# KiCad board vootington gaming.kicad_pcb (continued)
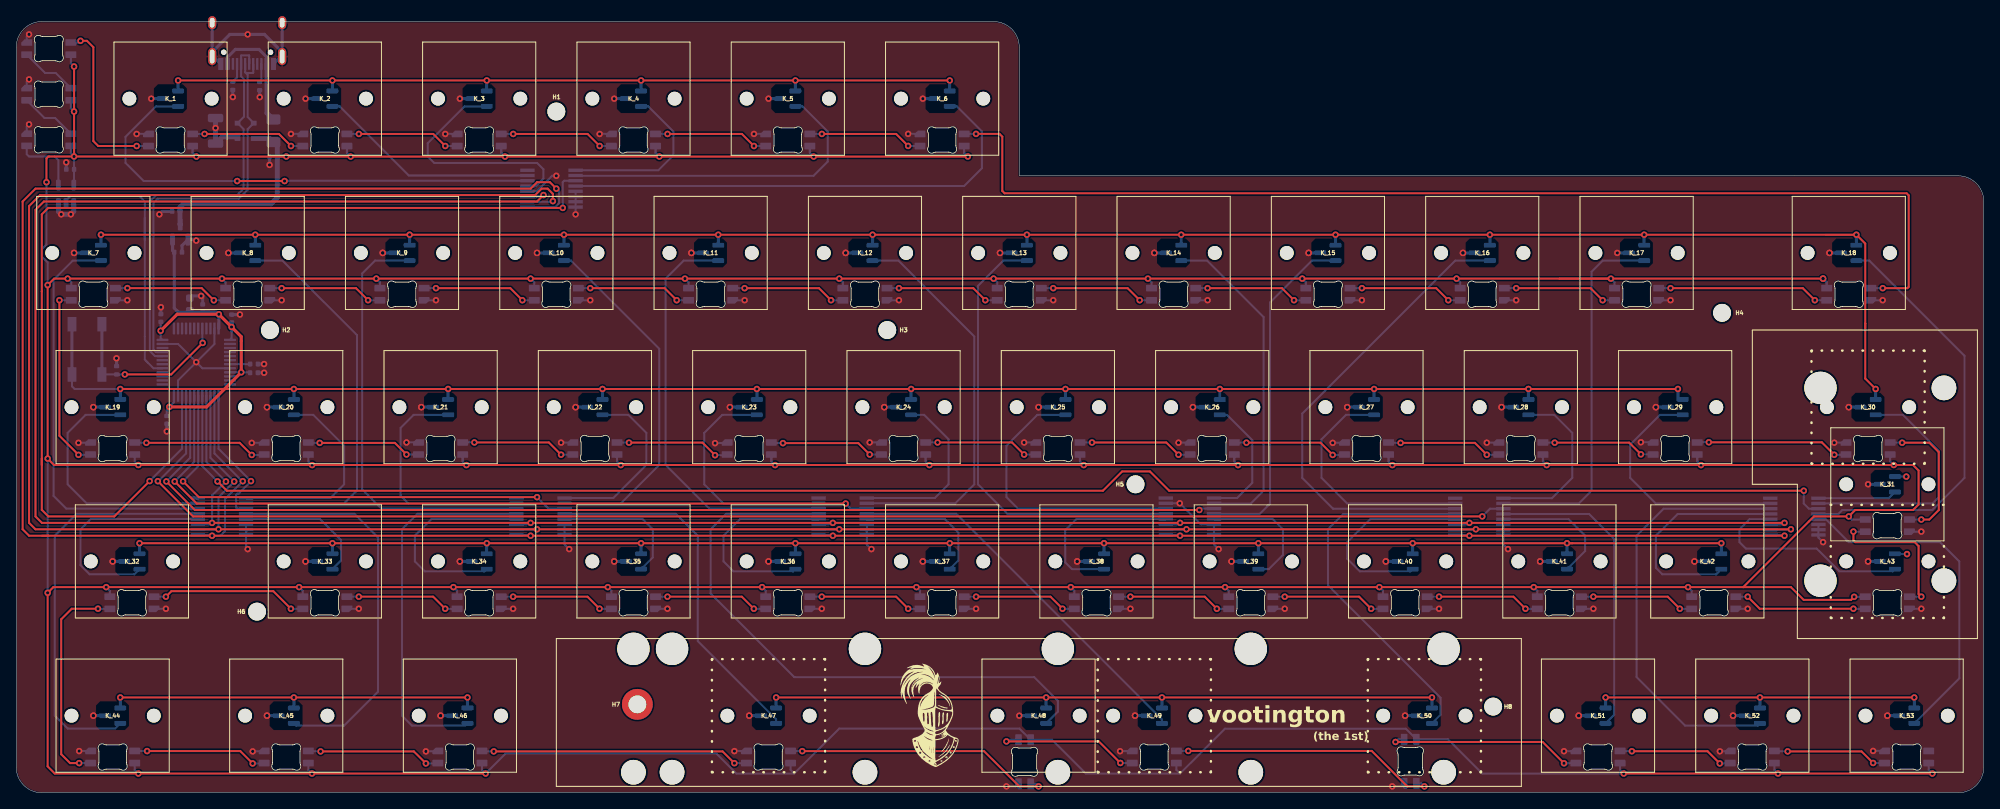
[diagram p0: board, top side]
## Routing (per net, layer and track width the routed paths; a pad name or vN(x,y) marks a point on that pad's centre or on a via; arc(x,y) is an arc through that point)
+3V3: length 1023.7
  Top w0.2: 223.35,68.92 v1(227.16,68.92)
  Top w0.25: v1(210.49,30.82) 192.09,30.82 ; 192.09,30.82 v1(172.39,30.82) v1(134.29,30.82) v1(115.24,30.82) v1(77.14,30.82) v1(58.09,30.82) v1(15.23,30.82) ; 192.09,30.82 v1(191.44,30.82) ; v1(196.2,11.77) v1(234.3,11.77) ; 228.25,57.94 228.25,67.83 v1(227.16,68.92) v1(10.46,68.92) ; 228.25,57.94 228.25,57.94 228.25,57.41 ; 228.25,57.94 228.25,51.16 v1(229.54,49.87) ; v1(205.13,49.87) 34.28,49.87 v1(34.28,49.87) v1(12.84,49.87) ; v1(12.84,11.77) v1(55.71,11.77) ; v1(93.81,11.77) v1(174.77,11.77) ; v1(19.99,87.97) v1(115.24,87.97)
  Top w0.381: v1(18.9,47.65) 23.5,47.65 v1(27.78,51.93) 27.78,56.33 v1(26.58,57.53) v1(25.02,59.1) 19.86,59.1 v1(17.83,57.06)
  Bottom w0.25: C11.1 28.82,51.93 v1(27.78,51.93) U59.9 ; 233.33,39.06 v1(233.32,39.05) U45.1 ; C2.1 17.83,58.13 v1(17.83,57.06) 17.83,56.16 U59.36 ; SW1.1 6.88,50.2 7.21,49.87 v1(12.84,49.87) ; 232,29.48 v1(233.41,29.48) ; U59.24 19.47,48.23 v1(18.9,47.65) ; U59.1 26.58,56.13 26.58,56.98 ; 26.58,56.98 26.58,57.4 26.59,57.4 C12.1 26.59,56.99 26.58,56.98 ; C1.1 18.59,47.35
  Bottom w0.381: U10.1 v1(143.81,68.92) ; U9.1 v1(124.76,68.92) ; U52.2 19.3,66.98 C5.2 19.51,59.87 20.04,59.34 21.14,59.34 21.36,59.55 C13.1 21.61,59.37 23.81,59.37 ; 23.81,59.37 24.74,59.37 v1(25.02,59.1) 25.02,57.34 ; 23.81,59.37 C10.1 ; U39.1 12.84,11.77 ; U32.1 153.34,30.82 ; U22.1 229.54,49.87 ; v1(86.66,68.92) U7.1 ; U35.1 58.09,30.82 ; U40.1 34.28,11.77 ; U27.1 15.22,30.82 ; U1.1 19.99,87.97 ; v1(29.51,68.92) U5.1 ; U26.1 186.67,49.87 ; U44.1 196.2,11.77 ; U16.1 34.28,49.87 ; U19.1 129.52,49.87 ; v1(227.16,68.92) U12.1 ; U17.1 91.42,49.87 ; U50.1 234.3,11.77 ; U15.1 12.84,49.87 ; U37.1 172.39,30.82 ; v1(181.91,68.92) U14.1 ; U4.1 v1(10.46,68.92) ; U13.1 v1(162.86,68.92) ; U62.1 96.19,87.97 ; U18.1 110.48,49.87 ; U61.1 77.14,87.97 ; U63.1 115.24,87.97 ; U20.1 148.57,49.87 ; U43.1 174.77,11.77 ; U33.1 210.49,30.82 ; U49.1 215.25,11.77 ; v1(67.61,68.92) U6.1 ; U42.1 141.43,11.77 ; U30.1 115.24,30.82 ; U28.1 39.04,30.82 ; U48.1 93.81,11.77 ; U31.1 134.29,30.82 ; U36.1 77.14,30.82 ; U60.1 58.09,87.97 ; U23.1 53.33,49.87 ; U11.1 v1(200.96,68.92) ; U47.1 55.71,11.77 ; U25.1 167.62,49.87 ; v1(48.56,68.92) U2.1 ; 205.13,48.57 205.13,49.87 ; U3.1 39.04,87.97 ; U41.1 127.14,11.77 ; U29.1 96.19,30.82 ; U38.1 191.44,30.82 ; U8.1 v1(105.71,68.92) ; U24.1 72.38,49.87 ; SW1.1 SW1.1
  vias: v1(34.28,11.77) v1(39.04,87.97) v1(39.04,30.82) v1(53.33,49.87) v1(58.09,87.97) v1(72.38,49.87) v1(77.14,87.97) v1(91.43,49.87) v1(96.19,87.97) v1(96.19,30.82) v1(110.48,49.87) v1(127.14,11.77) v1(129.53,49.87) v1(141.43,11.77) v1(148.58,49.87) v1(153.34,30.82) v1(167.63,49.87) v1(186.68,49.87) v1(215.25,11.77)
+5V: length 1279.1
  Top w0.25: v1(3.74,75.41) 3.74,78.35 3.97,78.58 v1(7.14,78.58) ; 190.5,63.5 v1(6.35,63.5) 4.68,63.5 v1(3.88,62.71) v1(3.88,41.28) 4.68,40.48 v1(15.08,40.48) v1(231.77,40.48) 234.16,40.48 234.84,39.8 234.84,35.61 234.16,34.92 229.39,34.92 ; 190.5,63.5 v1(196.85,63.5) ; 190.5,63.5 v1(223.04,63.5) ; v1(7.14,78.58) 22.23,78.58 v1(22.24,78.57) v1(41.29,78.57) 117.47,78.57 v1(117.48,78.58) ; v1(7.14,78.58) v1(7.14,89.69) ; 227.81,34.92 229.39,34.92 ; 229.39,34.92 227.01,34.92 v1(226.22,34.13) 221.92,34.13 213.19,25.4 ; v1(198.44,2.38) v1(236.54,2.38) ; v1(226.88,24.2) 226.5,23.82 220.65,23.82 219.07,25.4 213.19,25.4 ; v1(57.94,2.38) v1(15.08,2.38) 4.76,2.38 3.88,3.26 v1(3.88,24.7) 4.59,25.4 v1(11.11,25.4) v1(206.38,25.4) 213.19,25.4
  Bottom w0.25: v1(149.22,25.4) 149.67,24.95 D27.1 ; D11.1 178.25,63.05 v1(177.8,63.5) ; D7.1 102.05,63.05 v1(101.6,63.5) ; 97.98,79.03 D43.1 97.98,79.04 v1(98.44,78.57) ; v1(22.24,78.57) 21.78,79.04 D53.1 21.78,79.03 ; D37.1 111.58,24.95 v1(111.13,25.4) ; 131.31,40.93 D25.1 131.31,40.94 v1(131.78,40.47) ; D26.1 130.62,24.95 v1(130.17,25.4) ; v1(53.98,25.4) 54.42,24.95 D34.1 ; 143.67,2.38 132.03,2.38 127.86,6.56 D38.1 123.84,7.94 101.6,7.94 96.04,2.38 ; 143.67,2.38 149.2,7.92 171.53,7.92 D48.1 176.74,6.61 180.97,2.38 v1(198.44,2.38) 197.99,2.83 D47.1 ; 143.67,2.38 143.22,2.83 D49.1 ; D19.1 14.63,40.93 v1(15.08,40.48) ; D46.1 217.04,2.83 v1(217.49,2.38) ; v1(15.08,2.38) 14.63,2.83 D42.1 ; 169.41,40.93 D23.1 169.41,40.94 v1(169.88,40.47) ; D9.1 140.15,63.05 v1(139.7,63.5) ; v1(73.03,25.4) 73.48,24.95 D35.1 ; 96.04,2.38 95.59,2.83 D39.1 ; 96.04,2.38 88.9,2.38 86.42,4.87 60.43,4.87 v1(57.94,2.38) 57.49,2.83 D40.1 ; D2.1 6.8,63.05 v1(6.35,63.5) ; v1(25.4,63.5) 25.85,63.05 D3.1 ; D18.1 36.06,40.93 ; 223.49,63.05 D13.1 223.49,63.05 ; 223.49,63.05 v1(223.04,63.5) 223.49,63.05 ; D45.1 236.09,2.83 v1(236.54,2.38) ; v1(7.14,84.14) 6.75,84.53 D55.1 ; v1(82.55,63.5) 83,63.05 D6.1 ; v1(93.68,40.47) 93.21,40.94 D15.1 93.21,40.93 ; v1(11.11,25.4) 11.56,24.95 D32.1 ; v1(207.98,40.47) 207.51,40.94 D21.1 207.51,40.93 ; D10.1 159.2,63.05 v1(158.75,63.5) ; 188.48,40.92 v1(188.93,40.47) ; 40.83,79.03 D52.1 40.83,79.04 v1(41.29,78.57) ; D31.1 226.6,33.75 v1(226.22,34.13) ; v1(117.48,78.58) 117.01,79.05 117.01,79.88 117.01,79.04 ; 59.88,79.03 D51.1 59.88,79.04 v1(60.34,78.57) ; v1(206.38,25.4) 206.82,24.95 D30.1 ; v1(231.77,40.48) 231.32,40.93 D20.1 ; 55.11,40.93 D17.1 55.11,40.94 v1(55.58,40.47) ; 78.92,79.03 D50.1 78.92,79.04 v1(79.39,78.57) ; v1(36.51,2.38) 36.06,2.83 D41.1 ; v1(150.83,40.47) 150.36,40.94 D24.1 150.36,40.93 ; v1(3.74,75.41) 3.74,67.7 3.18,67.14 3.18,66.21 3.88,65.5 v1(3.88,62.71) ; v1(44.45,63.5) 44.9,63.05 D4.1 ; D12.1 197.3,63.05 v1(196.85,63.5) ; 20.39,70.05 U52.3 ; v1(92.08,25.4) 92.53,24.95 D36.1 ; D29.1 187.77,24.95 v1(187.32,25.4) ; D8.1 121.1,63.05 v1(120.65,63.5) ; D54.1 6.75,78.97 v1(7.14,78.58) C3.2 7.14,75.09 U46.5 ; v1(74.63,40.47) 74.16,40.94 D16.1 74.16,40.93 ; v1(63.5,63.5) 63.95,63.05 D5.1 ; 112.26,40.93 D14.1 112.26,40.94 v1(112.73,40.47) ; D33.1 35.38,24.95 v1(34.92,25.4) ; D56.1 6.75,90.09 v1(7.14,89.69) ; D22.1 188.46,40.93 ; v1(3.88,24.7) 3.88,24.69 v1(3.88,41.28) ; 36.08,40.92 v1(36.53,40.47) ; v1(168.27,25.4) 168.72,24.95 D28.1 ; 228.35,24.2 v1(226.88,24.2)
  Bottom w0.381: v1(33.34,78.58) C6.1 32.23,78.1
  Bottom w0.6: U58.4 31.3,80.81 F2.2 32.23,79.88 C6.1 32.23,73.5 31.47,72.74 20.64,72.74 20.22,72.33 C4.2 20.22,70.22 U52.3 20.22,70.22
GND: length 262.6
  Bottom w0.25: v1(80.39,22.73) 80.38,22.72 D35.4 ; D29.4 194.68,22.72 v1(194.69,22.73) ; D2.4 13.7,60.82 v1(13.72,60.83) ; 35.39,81.38 33.93,81.38 v1(33.92,81.37) ; 202.02,43.3 200.57,43.3 v1(200.56,43.29) ; v1(29.19,5.11) 29.2,5.12 30.66,5.12 ; D36.4 99.43,22.72 v1(99.44,22.73) ; v1(105.57,30.1) 105,30.67 U55.8 U55.6 ; v1(235.17,32.26) 235.16,32.25 D31.4 ; D55.4 1.3,87.82 v1(1.59,88.11) ; D54.4 1.3,82.26 v1(1.59,82.55) ; v1(108.97,60.83) 108.95,60.82 D7.4 ; v1(7.69,43.22) 7.7,43.24 9.16,43.24 ; D3.4 32.75,60.82 v1(32.77,60.83) ; U53.8 U53.6 ; 106.82,43.28 105.37,43.28 v1(105.36,43.27) ; 92.54,81.38 91.08,81.38 v1(91.07,81.37) ; v1(66.67,76.2) 66.16,76.2 64.25,74.29 U64.12 ; v1(86.27,43.18) 86.28,43.19 87.73,43.19 ; v1(181.53,43.24) 181.54,43.25 183,43.25 ; v1(128.02,60.83) 128,60.82 D8.4 ; v1(42.29,22.73) 42.28,22.72 D33.4 ; 211.76,5.13 210.31,5.13 ; v1(124.42,43.26) 124.43,43.27 125.89,43.27 ; 163.98,43.23 162.52,43.23 v1(162.51,43.22) ; v1(122.24,0.79) 123.41,0.79 D38.4 ; v1(213.74,22.73) 213.73,22.72 D30.4 ; v1(204.22,60.83) 204.2,60.82 D12.4 ; v1(68.26,30.1) 67.69,30.67 U56.6 ; v1(147.07,60.83) 147.05,60.82 D9.4 ; D37.4 118.48,22.72 v1(118.49,22.73) ; v1(61.34,22.73) 61.33,22.72 D34.4 ; v1(50.57,5.11) 50.58,5.13 52.04,5.13 ; v1(1.59,93.66) 1.3,93.38 D56.4 ; v1(22.22,53.18) 22.97,52.43 U59.8 ; v1(22.22,53.18) 24.47,55.43 U59.47 ; v1(22.22,53.18) 19.97,55.43 U59.35 ; v1(22.22,53.18) 19.97,50.93 U59.23 ; D13.4 230.4,60.82 v1(230.41,60.83) ; 230.69,5.18 229.24,5.18 v1(229.22,5.17) ; 144.95,43.25 143.49,43.25 v1(143.48,43.24) ; v1(18.48,22.73) 18.47,22.72 D32.4 ; 225.9,43.25 224.44,43.25 v1(224.43,43.24) ; U53.7 183.58,30.67 v1(184.15,30.1) ; v1(70.87,60.83) 70.85,60.82 D5.4 ; U54.6 146.23,33.16 v1(143.63,35.76) U54.15 ; v1(223.04,30.96) 222.48,31.52 U51.8 U51.6 ; U57.6 U57.8 ; v1(156.59,22.73) 156.58,22.72 D27.4 ; 68.73,43.26 67.27,43.26 v1(67.26,43.24) ; v1(51.82,60.83) 51.8,60.82 D4.4 ; v1(69.06,71.44) U64.8 U64.5 ; 192.53,5.14 191.08,5.14 v1(191.06,5.13) ; 16.34,81.38 14.88,81.38 v1(14.87,81.37) ; v1(148.43,30.1) 147.86,30.67 U54.7 ; D6.4 89.9,60.82 v1(89.92,60.83) ; 90.12,5.16 88.67,5.16 v1(88.66,5.15) ; v1(169.86,0.79) 170.97,0.79 D48.4 ; D44.4 235.16,22.72 v1(235.17,22.73) ; D26.4 137.53,22.72 v1(137.54,22.73) ; 111.57,81.39 110.12,81.39 v1(110.1,81.37) ; v1(166.12,60.83) 166.1,60.82 D10.4 ; 54.44,81.38 52.98,81.38 v1(52.97,81.37) ; v1(7.77,5.16) 7.79,5.17 9.24,5.17 ; U57.7 28.37,30.3 v1(28.57,30.1) ; v1(29.08,43.21) 29.09,43.23 30.54,43.23 ; U54.8 147.86,33.05 ; 230.56,60.82 230.59,60.79 ; v1(185.17,60.83) 185.15,60.82 D11.4 ; v1(72.02,81.37) 72.03,81.38 73.49,81.38 ; v1(136.27,5.14) 136.28,5.15 137.73,5.15 ; v1(48.18,43.27) 48.19,43.28 49.64,43.28 ; v1(175.64,22.73) 175.63,22.72 D28.4
  Bottom w0.381: J2.S1 32.83,94.96 ; J2.S1 32.68,90.93 J2.A12 ; J2.S1 32.83,91.48 30.65,93.66 v1(28.57,93.66) 26.37,93.66 24.19,91.48 J2.S1 ; U63.3 v1(111.92,85.72) ; v1(27.62,59.07) 27.6,59.06 C12.2 ; 18.6,44.62 v1(18.59,44.63) C1.2 ; C2.2 v1(17.86,59.96) ; J2.S1 24.19,94.96 ; J2.S1 24.35,90.93 J2.A1 ; U6.3 v1(64.29,66.68) ; C10.2 23.02,61.17 v1(22.83,61.36) 21.69,61.36 C13.2 ; U38.3 v1(188.12,28.58) ; U11.3 v1(197.64,66.68) ; U12.3 v1(223.84,66.68) ; v1(12.38,53.66) 12.39,53.65 R5.2 ; C29.2 30.62,52.95 v1(30.59,52.95) ; U15.3 v1(9.53,47.62) ; U29.3 v1(92.87,28.58) ; U45.3 v1(228.6,38.1) ; U23.3 v1(50.01,47.62) ; C5.1 20.47,67.58 U52.1 22.11,68.31 v1(22.22,68.2) ; U37.3 v1(169.07,28.58) ; C11.2 30.63,51.88 v1(30.61,51.88) ; U17.3 v1(88.11,47.62) ; U27.3 v1(11.91,28.58) ; U13.3 v1(159.54,66.68) ; U43.3 v1(171.45,9.53) ; U5.3 v1(26.19,66.68) ; U62.3 v1(92.87,85.72) ; U22.3 v1(226.22,47.62) ; R3.1 26.73,85.93 v1(26.74,85.92) ; v1(30.06,85.91) 30.05,85.92 R4.1 ; U1.3 v1(16.67,85.72) ; v1(17.67,71.44) 18.03,71.8 C4.1 ; U30.3 v1(111.92,28.58) ; U7.3 v1(83.34,66.68) ; U19.3 v1(126.21,47.62) ; U41.3 v1(123.83,9.53) ; U18.3 v1(107.16,47.62) ; U34.3 v1(228.6,28.58) ; U28.3 v1(35.72,28.58) ; C3.1 6.18,77.85 v1(6.17,77.86) ; U61.3 v1(73.82,85.72) ; U9.3 v1(121.44,66.68) ; U4.3 v1(7.14,66.68) ; C6.2 31.27,77.55 v1(31.28,77.54) ; U44.3 v1(192.88,9.53) ; U31.3 v1(130.97,28.58) ; U33.3 v1(207.17,28.58) ; U2.3 v1(45.24,66.68) ; U8.3 v1(102.39,66.68) ; U32.3 v1(150.02,28.58) ; U36.3 v1(73.82,28.58) ; U60.3 v1(54.77,85.72) ; U42.3 v1(138.11,9.53) ; U48.3 v1(90.49,9.53) ; U10.3 v1(140.49,66.68) ; U3.3 v1(35.72,85.72) ; U21.3 v1(202.41,47.62) ; U50.3 v1(230.98,9.53) ; U26.3 v1(183.36,47.62) ; U14.3 v1(178.59,66.68) ; U40.3 v1(30.96,9.53) ; U47.3 v1(52.39,9.53) ; U16.3 v1(30.96,47.62) ; U39.3 v1(9.53,9.53) ; U20.3 v1(145.26,47.62) ; U25.3 v1(164.31,47.62) ; U49.3 v1(211.93,9.53) ; U24.3 v1(69.06,47.62) ; U35.3 v1(54.77,28.58)
  Bottom w0.6: L1.2 24.61,81.76 ; 24.61,81.76 L1.1 25.43,81.01 U58.1 ; 24.61,81.76 v1(24.61,82.09) ; U46.3 5.21,71.79 v1(5.56,71.44) v1(6.75,71.44) 7.11,71.8 U46.1
  vias: v1(210.31,5.12)
VBUS: length 14.5
  Bottom w0.381: J2.A4 26.06,90.82 27.05,91.81 29.97,91.81 30.96,90.82 30.96,90.01
  Bottom w0.6: 30.96,90.01 30.96,83.94 F2.1
ADC0: length 213.3
  Top w0.25: v1(24.85,38.46) 26,37.31 134.14,37.31 136.52,39.69 139.95,39.69 142.33,37.31 v1(220.66,37.31)
  Bottom w0.25: v1(24.85,38.46) 22.98,40.33 22.98,49.02 U59.17 ; U51.3 221.3,35.09 220.66,35.72 v1(220.66,37.31)
ADC1: length 180.3
  Top w0.25: v1(180.97,34.13) 21.83,34.13 17.48,38.48 v1(17.48,38.48)
  Bottom w0.25: U59.21 20.97,41.91 17.55,38.48 v1(17.48,38.48) ; v1(180.97,34.13) 181.93,35.09 U53.3
ADC2: length 143.7
  Top w0.25: v1(146.05,34.92) 22.06,34.92 18.54,38.45 v1(18.54,38.45)
  Bottom w0.25: v1(18.54,38.45) 21.47,41.39 21.47,49.02 U59.20 ; 146.84,35.11 U54.3 146.23,35.11 v1(146.05,34.92)
ADC3: length 98.4
  Top w0.25: v1(19.56,38.45) 22.29,35.72 v1(102.39,35.72)
  Bottom w0.25: v1(19.56,38.45) 21.97,40.86 21.97,49.02 U59.19 ; v1(102.39,35.72) 103.01,35.11 U55.3
ADC4: length 60.7
  Top w0.25: v1(64.29,36.51) 22.55,36.51 v1(20.6,38.46)
  Bottom w0.25: U56.3 65.7,35.1 ; 65.7,35.1 v1(64.29,36.51) ; 65.7,35.1 65.09,35.72 ; U59.18 22.47,48.02 22.47,48.02 22.47,40.34 v1(20.6,38.46)
ADC5: length 17.6
  Bottom w0.25: U57.3 27.28,35.1 27.16,35.22 27.16,36.8 27.3,36.94 27.45,36.94 28.98,38.47 v1(28.98,38.49) 24.98,42.49 24.98,49.02 U59.13
ADC6: length 134.4
  Top w0.25: 3.16,41.28 3.16,40.5 3.18,40.48 ; 3.16,41.28 3.16,34.92 3.18,34.92 3.97,34.13 12.1,34.13 v1(16.47,38.5) ; 3.16,41.28 3.16,61.9 3.18,61.91 3.16,61.93 3.16,71.44 3.95,72.23 v1(67.47,72.23)
  Bottom w0.25: v1(16.47,38.5) 20.47,42.5 20.47,49.02 U59.22 ; v1(67.47,72.23) 67.47,75.41 67.65,75.59 U64.3
BOOT0: length 22.4
  Top w0.25: v1(13.41,51.67) 19.13,51.67 v1(23.02,55.56)
  Bottom w0.25: v1(23.02,55.56) 22.97,55.61 U59.44 ; R5.1 v1(13.41,51.67) ; SW1.2 12.62,51.67 12.7,51.59
  Bottom w0.381: SW1.2 SW1.2
D_N: length 51.8
  Bottom w0.25: U59.32 17.12,53.93 16.49,54.56 16.49,73.03 17.28,73.82 27.28,73.82 28.07,74.61 28.07,81.96 U58.2 28.12,83.51 28.12,88.11 27.76,88.47 J2.B7 27.76,91.04 27.79,91.06 28.74,91.06 28.76,91.04 J2.A7
D_P: length 50.1
  Bottom w0.25: U59.33 17.26,54.43 16.94,54.75 16.94,72.85 17.46,73.37 27.46,73.37 28.57,74.48 28.57,81.96 U58.3 28.57,83.45 28.57,88.68 28.26,88.99 ; 28.26,88.99 28.35,88.9 29.22,88.9 29.26,88.94 J2.B6 ; 28.26,88.99 J2.A6
K_1: length 52
  Bottom w0.25: U57.14 6.17,35.1 4.61,36.67 4.61,63.35 6.99,65.72 U4.2
K_2: length 49.9
  Bottom w0.25: U5.2 32.87,65.72 42.07,56.53 42.07,37.34 40.48,35.75 U57.2
K_3: length 53.2
  Bottom w0.25: U56.14 45.06,35.1 42.71,37.46 42.71,64.14 44.29,65.72 U2.2
K_4: length 44.3
  Bottom w0.25: U6.2 68.49,65.72 79.38,54.84 79.38,40.48 74.65,35.75 U56.2
K_5: length 51.5
  Bottom w0.25: U7.2 82.39,65.72 80.17,63.5 80.17,40.48 85.54,35.11 U55.14
K_6: length 48.9
  Bottom w0.25: U8.2 108.9,65.72 118.27,56.36 118.27,38.1 115.93,35.76 U55.2
K_7: length 56.5
  Bottom w0.25: U54.13 122.36,34.46 118.72,38.1 118.72,62.59 121.85,65.72 U9.2
K_8: length 41.4
  Bottom w0.25: U10.2 147,65.72 153.99,58.74 153.99,37.31 152.4,35.72 147.83,35.72 U54.2
K_9: length 42.5
  Bottom w0.25: U13.2 159.95,65.72 154.78,60.56 154.78,35.72 153.52,34.46 U54.4
K_10: length 59.4
  Bottom w0.25: U53.14 162.56,35.09 158.75,38.89 158.75,46.83 177.64,65.72 U14.2
K_11: length 45.6
  Bottom w0.25: U53.2 192.9,35.74 194.47,37.31 194.47,64.35 195.85,65.72 U11.2
K_12: length 53.2
  Bottom w0.25: U12.2 228.76,65.72 240.51,53.98 240.51,38.89 236.54,34.92 225.42,34.92 224.94,34.44 U51.4
K_13: length 30.8
  Bottom w0.25: U57.15 8.7,35.75 6.35,38.1 6.35,44.45 8.57,46.68 U15.2
K_14: length 25.4
  Bottom w0.25: U16.2 36.67,46.68 40.48,42.86 40.48,38.1 38.79,36.4 U57.1
K_15: length 29.6
  Bottom w0.25: U23.2 49.06,46.68 47.45,45.07 47.45,36.68 48.38,35.75 U56.15
K_16: length 22.1
  Bottom w0.25: U24.2 75.56,46.68 77.79,44.45 77.79,40.48 73.71,36.4 U56.1
K_17: length 29
  Bottom w0.25: U55.15 99.09,35.72 87.31,35.72 84.93,38.1 84.93,44.45 87.16,46.68 U17.2
K_18: length 22.2
  Bottom w0.25: U18.2 112.08,46.68 115.09,43.66 115.09,38.1 113.4,36.41 U55.1
K_19: length 35.5
  Bottom w0.25: U54.14 123.64,35.11 122.24,36.51 122.24,42.86 126.05,46.68 U19.2
K_20: length 16.1
  Bottom w0.25: U20.2 149.45,46.68 152.59,43.54 152.59,38.29 150.71,36.41 U54.1
K_21: length 30.3
  Bottom w0.25: U25.2 164.15,46.68 161.13,43.66 161.13,38.89 164.29,35.74 U53.15
K_22: length 21.4
  Bottom w0.25: U26.2 189.86,46.68 192.09,44.45 192.09,38.89 189.58,36.39 U53.1
K_23: length 30.7
  Bottom w0.25: U51.15 202.39,35.74 199.23,38.89 199.23,42.99 202.92,46.68 U21.2
K_24: length 31.6
  Bottom w0.25: U51.2 236.55,35.74 237.33,36.51 237.33,42.24 232.9,46.68 U22.2 230.58,46.68
K_25: length 27.5
  Bottom w0.25: U57.12 9.2,33.81 7.94,32.54 7.94,28.11 9.06,26.99 14.59,26.99 U27.2
K_26: length 16.8
  Bottom w0.25: U57.5 37.5,33.81 40.1,31.21 40.1,28.69 U28.2
K_27: length 26.1
  Bottom w0.25: U56.12 51.27,33.81 49.21,31.75 49.21,28.58 50.44,27.35 57.81,27.35 U35.2
K_28: length 16.9
  Bottom w0.25: U56.5 77.32,33.81 78.58,32.54 78.58,29.07 U36.2
K_29: length 25.3
  Bottom w0.25: U55.12 89.37,33.81 87.31,31.75 87.31,28.58 88.54,27.35 95.91,27.35 U29.2
K_30: length 16.9
  Bottom w0.25: U55.5 114.62,33.81 116.3,32.13 116.3,28.69 U30.2
K_31: length 22.1
  Bottom w0.25: U54.12 130.88,33.81 129.49,32.43 129.49,28.46 130.33,27.62 U31.2
K_32: length 16
  Bottom w0.25: U32.2 154.62,27.62 156.37,29.37 156.37,32.54 155.1,33.81 U54.5
K_33: length 25.4
  Bottom w0.25: U37.2 172.11,27.35 165.86,27.35 164.31,28.91 164.31,30.96 167.14,33.79 U53.12
K_34: length 16
  Bottom w0.25: U38.2 193.67,29.86 193.67,31.75 191.63,33.79 U53.5
K_35: length 27.9
  Bottom w0.25: U51.13 205.09,34.44 202.41,31.75 202.41,27.78 203.2,26.99 209.85,26.99 U33.2
K_36: length 26.7
  Bottom w0.25: U34.2 231.64,27.35 225.06,27.35 222.25,30.16 213.52,30.16 212.72,30.96 212.72,32.54 213.97,33.79 U51.12
K_37: length 50
  Bottom w0.25: U39.2 12.21,7.94 6.35,7.94 4.76,9.53 4.76,31.75 7.47,34.45 U57.13
K_38: length 48.8
  Bottom w0.25: U57.4 41.75,34.45 44.67,31.53 44.67,12.48 40.48,8.3 34.55,8.3 U40.2
K_39: length 46.6
  Bottom w0.25: U47.2 55.43,8.3 48.85,8.3 47.62,9.53 47.62,32.54 49.54,34.45 U56.13
K_40: length 44.7
  Bottom w0.25: U56.4 81.43,34.45 84.14,31.75 84.14,18.73 93.81,9.07 U48.2
K_41: length 73.8
  Bottom w0.25: U41.2 128.59,10.02 128.59,11.35 125.65,14.29 96.04,14.29 85.73,24.61 85.73,32.54 87.64,34.46 U55.13
K_42: length 47.4
  Bottom w0.25: U55.4 116.04,34.46 141.43,9.07 U42.2
K_43: length 46.7
  Bottom w0.25: U53.13 163.82,34.44 161.92,32.54 161.92,25.64 175.83,11.73 175.83,9.64 U43.2
K_44: length 38.2
  Bottom w0.25: U44.2 197.26,9.64 197.26,31.34 194.16,34.44 U53.4
K_45: length 53.2
  Bottom w0.25: U51.14 203.36,35.09 200.02,31.75 200.02,14.29 206.01,8.3 214.97,8.3 U49.2
K_46: length 41.9
  Bottom w0.25: U50.2 239.87,14.14 239.87,28.58 237.48,30.96 226.22,30.96 223.38,33.79 U51.5
K_47: length 9.8
  Bottom w0.25: U51.1 231.15,36.39 U45.2
K_48: length 61.8
  Top w0.25: v1(33.13,75.55) 33.13,75.55 v1(27.28,75.55)
  Bottom w0.25: U1.2 17.25,84.78 13.49,81.02 13.49,77.79 15.73,75.55 v1(27.28,75.55) ; v1(33.13,75.55) 33.17,75.59 U64.14
K_49: length 27.6
  Bottom w0.25: U64.15 48.46,76.24 39.92,84.78 U3.2
K_50: length 29.2
  Bottom w0.25: U64.13 64.15,74.94 65.09,75.87 65.09,76.99 64.29,77.79 51.59,77.79 50.8,78.58 50.8,80.22 55.35,84.78 U60.2
K_51: length 21
  Bottom w0.25: U61.2 78.02,84.78 81.13,81.67 81.13,78.75 79.27,76.89 U64.1
K_52: length 40.9
  Bottom w0.25: U64.2 69.06,76.2 98.42,76.2 100.18,77.95 100.18,81.67 97.07,84.78 U62.2
K_53: length 60.9
  Bottom w0.25: U64.4 117,74.94 119.21,77.14 119.21,81.68 116.11,84.78 U63.2
NRST: length 2.5
  Bottom w0.25: C29.1 28.86,52.93 U59.7
RGB: length 8.3
  Bottom w0.25: U46.4 5.21,78.14 4.76,78.58 1.59,78.58 1.3,78.87 D54.3
RGB MCU: length 36
  Bottom w0.25: 16.03,53.34 16.26,53.11 ; 16.03,53.34 16.94,52.43 U59.29 ; 16.03,53.34 15.87,53.5 15.87,68.26 ; 15.87,68.26 15.87,71.06 ; 15.87,68.26 15.87,73.03 15.08,73.82 6.81,73.82 6.16,73.16 U46.2
SELECT0: length 348
  Top w0.25: v1(218.28,33.34) v1(179.39,33.34) v1(24.18,33.34) 3.18,33.34 2.38,34.13 2.38,71.99 3.42,73.03 64.29,73.03 v1(65.09,73.82)
  Bottom w0.25: U54.11 143.49,33.16 v1(143.67,33.34) ; v1(218.28,33.34) 218.08,33.14 U51.11 ; U56.11 63.32,33.16 v1(63.5,33.34) ; v1(65.09,73.82) 64.91,73.64 U64.11 ; U55.11 100.63,33.16 v1(100.81,33.34) ; U57.11 24,33.16 v1(24.18,33.34) 24.19,33.34 24.19,36.74 v1(25.89,38.44) 23.48,40.86 23.48,49.02 U59.16 ; U53.11 179.19,33.14 v1(179.39,33.34)
SELECT1: length 361
  Top w0.25: v1(219.07,32.54) v1(180.18,32.54) v1(24.97,32.54) 2.38,32.54 1.59,33.34 1.59,72.46 2.95,73.82 64.06,73.82 64.86,74.61 65.61,74.61 66.25,73.97 v1(66.25,73.07)
  Bottom w0.25: U59.15 23.98,49.02 23.98,41.38 v1(26.91,38.45) 26.91,38.44 24.97,36.5 v1(24.97,32.54) 24.94,32.51 U57.10 ; 64.29,72.99 U64.10 ; 64.29,72.99 66.17,72.99 v1(66.25,73.07) ; 64.29,72.99 64.62,72.99 ; v1(101.6,32.54) 101.57,32.51 U55.10 ; v1(180.18,32.54) 180.13,32.49 U53.10 ; U54.10 144.43,32.51 v1(144.46,32.54) ; U51.10 219.02,32.49 ; U56.10 64.26,32.51 v1(64.29,32.54)
SELECT2: length 364
  Top w0.25: 3.18,31.75 3.97,31.75 ; 3.97,31.75 1.59,31.75 0.79,32.54 0.79,73.03 2.38,74.61 63.5,74.61 64.29,75.41 65.88,75.41 v1(66.67,74.61) ; 3.97,31.75 v1(24.18,31.75) v1(218.28,31.75)
  Bottom w0.25: U56.9 63.39,31.86 v1(63.5,31.75) ; U57.9 24.07,31.86 v1(24.18,31.75) 25.21,31.75 25.78,32.32 25.78,36.29 27.97,38.47 v1(27.97,38.48) 27.9,38.48 24.47,41.91 U59.14 ; U54.9 143.56,31.86 v1(143.67,31.75) ; v1(218.28,31.75) 218.19,31.84 U51.9 ; v1(66.67,74.61) 67.02,74.27 67.02,72.82 66.54,72.34 U64.9 ; U53.9 179.3,31.84 v1(179.39,31.75) ; U55.9 100.7,31.86 v1(100.81,31.75)
Net-(D1-DIN): length 14.2
  Top w0.25: v1(110.1,79.89) 108.62,81.37 v1(99.45,81.37)
  Bottom w0.25: 111.57,79.89 110.1,79.89 v1(110.1,79.89) ; 97.99,81.38 99.44,81.38 v1(99.45,81.37)
Net-(D1-DOUT): length 139.7
  Top w0.25: v1(118.49,81.37) 121.38,81.37 121.73,81.03 121.73,74.33 122.02,74.04 233.36,74.04 233.62,73.79 233.62,62.48 233.45,62.32 v1(230.41,62.32)
  Bottom w0.25: v1(118.49,81.37) 118.47,81.39 117.02,81.39 ; v1(230.41,62.32) 230.41,62.32 D13.3
Net-(D2-DIN): length 14.2
  Top w0.25: v1(13.73,62.33) 22.89,62.33 24.38,60.83
  Bottom w0.25: v1(13.73,62.33) 13.72,62.32 12.26,62.32 ; D3.2 v1(24.4,60.82)
Net-(D3-DIN): length 14.2
  Top w0.25: v1(43.43,60.83) 41.95,62.32 v1(32.77,62.32)
  Bottom w0.25: v1(32.77,62.32) 32.77,62.32 D3.3 ; v1(43.43,60.83) 43.45,60.82 D4.2
Net-(D4-DIN): length 14.2
  Top w0.25: v1(62.48,60.83) 61,62.32 v1(51.82,62.32)
  Bottom w0.25: D5.2 62.5,60.82 v1(62.48,60.83) ; v1(51.82,62.32) 51.82,62.32 D4.3
Net-(D5-DIN): length 14.2
  Top w0.25: v1(81.53,60.83) 80.05,62.32 v1(70.87,62.32)
  Bottom w0.25: v1(81.53,60.83) 81.55,60.82 D6.2 ; v1(70.87,62.32) 70.87,62.32 D5.3
Net-(D6-DIN): length 14.2
  Top w0.25: v1(89.92,62.32) 99.1,62.32 v1(100.58,60.83)
  Bottom w0.25: D7.2 100.6,60.82 v1(100.58,60.83) ; v1(89.92,62.32) 89.92,62.32 D6.3
Net-(D7-DIN): length 14.2
  Top w0.25: v1(108.97,62.32) 118.15,62.32 v1(119.63,60.83)
  Bottom w0.25: v1(119.63,60.83) 119.65,60.82 D8.2 ; D7.3 108.97,62.32 v1(108.97,62.32)
Net-(D8-DIN): length 14.2
  Top w0.25: v1(128.02,62.32) 137.2,62.32 v1(138.68,60.83)
  Bottom w0.25: v1(138.68,60.83) 138.7,60.82 D9.2 ; v1(128.02,62.32) 128.02,62.32 D8.3
Net-(D10-DIN): length 14.2
  Top w0.25: v1(166.12,62.32) 175.3,62.32 v1(176.78,60.83)
  Bottom w0.25: v1(166.12,62.32) 166.12,62.32 D10.3 ; D11.2 176.8,60.82 v1(176.78,60.83)
Net-(D10-DOUT): length 14.2
  Top w0.25: v1(157.73,60.83) 156.25,62.32 v1(147.07,62.32)
  Bottom w0.25: D10.2 157.75,60.82 v1(157.73,60.83) ; D9.3 147.07,62.32 v1(147.07,62.32)
Net-(D11-DIN): length 14.2
  Top w0.25: v1(185.17,62.32) 194.35,62.32 v1(195.83,60.83)
  Bottom w0.25: v1(185.17,62.32) 185.17,62.32 D11.3 ; D12.2 195.85,60.82 v1(195.83,60.83)
Net-(D12-DIN): length 21.4
  Top w0.25: v1(204.22,62.32) 220.54,62.32 v1(222.03,60.83)
  Bottom w0.25: v1(204.22,62.32) 204.22,62.32 D12.3 ; D13.2 222.04,60.82 v1(222.03,60.83)
Net-(D14-DIN): length 14.2
  Top w0.25: v1(105.36,41.78) 103.96,43.18 v1(94.65,43.18)
  Bottom w0.25: 106.82,41.78 v1(105.36,41.78) ; 93.18,43.19 94.64,43.19 v1(94.65,43.18)
Net-(D14-DOUT): length 14.2
  Top w0.25: v1(113.74,43.27) 122.93,43.27 v1(124.42,41.77)
  Bottom w0.25: 125.89,41.77 v1(124.42,41.77) ; 112.27,43.28 113.73,43.28 v1(113.74,43.27)
Net-(D15-DIN): length 14.2
  Top w0.25: v1(86.27,41.69) 84.72,43.24 v1(75.64,43.24)
  Bottom w0.25: 87.73,41.69 v1(86.27,41.69) ; v1(75.64,43.24) 75.63,43.26 74.18,43.26
Net-(D16-DIN): length 14.3
  Top w0.25: v1(56.56,43.27) 65.75,43.27 v1(67.26,41.76)
  Bottom w0.25: v1(67.26,41.76) 67.26,41.76 68.73,41.76 ; 55.09,43.28 56.55,43.28 v1(56.56,43.27)
Net-(D17-DIN): length 14.2
  Top w0.25: v1(37.46,43.21) 46.74,43.21 v1(48.18,41.78)
  Bottom w0.25: 49.64,41.78 v1(48.18,41.78) ; 35.99,43.23 37.45,43.23 v1(37.46,43.21)
Net-(D18-DIN): length 16.6
  Top w0.25: v1(29.08,41.73) 27.58,43.22 v1(16.07,43.22)
  Bottom w0.25: 14.61,43.24 16.06,43.24 v1(16.07,43.22) ; 30.54,41.73 v1(29.08,41.73)
Net-(D19-DIN): length 23
  Top w0.25: v1(7.69,41.74) 5.33,44.09 v1(5.33,60.83)
  Bottom w0.25: 9.16,41.74 7.69,41.74 v1(7.69,41.74) ; D2.2 5.35,60.82 v1(5.33,60.83)
Net-(D20-DIN): length 19.1
  Top w0.25: v1(208.94,43.29) 222.89,43.29 v1(224.43,41.75)
  Bottom w0.25: 207.47,43.3 208.93,43.3 v1(208.94,43.29) ; 225.9,41.75 v1(224.43,41.75)
Net-(D20-DOUT): length 17.7
  Top w0.25: v1(235.17,33.75) 236.15,33.75 237.33,34.92 237.33,42.07 236.16,43.24 v1(232.81,43.24)
  Bottom w0.25: v1(232.81,43.24) 232.8,43.25 231.35,43.25 ; D31.3 v1(235.17,33.75)
Net-(D21-DIN): length 14.2
  Top w0.25: v1(189.91,43.24) 199.12,43.24 v1(200.56,41.8)
  Bottom w0.25: v1(189.91,43.24) 189.9,43.25 188.45,43.25 ; 202.02,41.8 v1(200.56,41.8)
Net-(D22-DIN): length 14.2
  Top w0.25: v1(181.53,41.75) 180.07,43.22 v1(170.89,43.22)
  Bottom w0.25: 169.43,43.23 170.88,43.23 v1(170.89,43.22) ; 183,41.75 v1(181.53,41.75)
Net-(D23-DIN): length 14.2
  Top w0.25: v1(151.86,43.24) 161,43.24 v1(162.51,41.73)
  Bottom w0.25: 163.98,41.73 v1(162.51,41.73) ; 150.4,43.25 151.85,43.25 v1(151.86,43.24)
Net-(D24-DIN): length 14.2
  Top w0.25: v1(132.8,43.26) 141.97,43.26 v1(143.48,41.75)
  Bottom w0.25: v1(132.8,43.26) 132.79,43.27 131.34,43.27 ; 144.95,41.75 143.48,41.75 v1(143.48,41.75)
Net-(D26-DIN): length 14.2
  Top w0.25: v1(148.21,22.73) 146.72,24.22 v1(137.54,24.22)
  Bottom w0.25: D27.2 148.22,22.72 v1(148.21,22.73) ; v1(137.54,24.22) 137.54,24.22 D26.3
Net-(D26-DOUT): length 14.2
  Top w0.25: v1(118.49,24.22) 127.67,24.22 v1(129.16,22.73)
  Bottom w0.25: v1(118.49,24.22) 118.49,24.22 D37.3 ; v1(129.16,22.73) 129.17,22.72 D26.2
Net-(D27-DIN): length 14.2
  Top w0.25: v1(167.26,22.73) 165.77,24.22 v1(156.59,24.22)
  Bottom w0.25: D27.3 156.59,24.22 v1(156.59,24.22) ; D28.2 167.27,22.72 v1(167.26,22.73)
Net-(D28-DIN): length 14.2
  Top w0.25: v1(175.64,24.22) 184.82,24.22 v1(186.31,22.73)
  Bottom w0.25: v1(175.64,24.22) 175.64,24.22 D28.3 ; D29.2 186.32,22.72 v1(186.31,22.73)
Net-(D29-DIN): length 14.2
  Top w0.25: v1(205.36,22.73) 203.87,24.22 v1(194.69,24.22)
  Bottom w0.25: D30.2 205.37,22.72 v1(205.36,22.73) ; v1(194.69,24.22) 194.69,24.22 D29.3
Net-(D30-DIN): length 16.6
  Top w0.25: v1(226.79,22.73) 215.23,22.73 v1(213.74,24.22)
  Bottom w0.25: D44.2 226.8,22.72 v1(226.79,22.73) ; v1(213.74,24.22) 213.74,24.22 D30.3
Net-(D31-DOUT): length 18.7
  Top w0.25: v1(235.17,24.22) 234.84,24.56 234.84,30.48 234.36,30.96 227.01,30.96 226.79,31.18 v1(226.79,32.26)
  Bottom w0.25: D44.3 235.17,24.22 v1(235.17,24.22) ; D31.2 226.8,32.25 v1(226.79,32.26)
Net-(D32-DIN): length 19.5
  Top w0.25: v1(18.48,24.22) 19.16,24.9 31.74,24.9 v1(33.91,22.73)
  Bottom w0.25: D33.2 33.92,22.72 v1(33.91,22.73) ; D32.3 18.48,24.22 v1(18.48,24.22)
Net-(D32-DOUT): length 27.4
  Top w0.25: v1(7.77,3.67) 6.65,3.67 5.56,4.76 5.56,21.43 6.86,22.73 v1(10.1,22.73)
  Bottom w0.25: D32.2 10.11,22.72 v1(10.1,22.73) ; v1(7.77,3.67) 7.77,3.67 9.24,3.67
Net-(D33-DIN): length 14.2
  Top w0.25: v1(52.96,22.73) 51.47,24.22 v1(42.29,24.22)
  Bottom w0.25: D34.2 52.97,22.72 v1(52.96,22.73) ; v1(42.29,24.22) 42.29,24.22 D33.3
Net-(D34-DIN): length 14.2
  Top w0.25: v1(72.01,22.73) 70.52,24.22 v1(61.34,24.22)
  Bottom w0.25: D35.2 72.02,22.72 v1(72.01,22.73) ; D34.3 61.34,24.22 v1(61.34,24.22)
Net-(D35-DIN): length 14.2
  Top w0.25: v1(80.39,24.22) 89.57,24.22 v1(91.06,22.73)
  Bottom w0.25: v1(80.39,24.22) 80.39,24.22 D35.3 ; v1(91.06,22.73) 91.07,22.72 D36.2
Net-(D36-DIN): length 14.2
  Top w0.25: v1(99.44,24.22) 108.62,24.22 v1(110.11,22.73)
  Bottom w0.25: D36.3 99.44,24.22 v1(99.44,24.22) ; v1(110.11,22.73) 110.12,22.72 D37.2
Net-(D38-DIN): length 33.6
  Top w0.25: v1(126.21,0.79) 123.83,0.79 119.47,5.15 v1(97.04,5.15)
  Bottom w0.25: v1(126.21,0.79) 125.89,1.11 D38.3 ; 95.57,5.16 97.03,5.16 v1(97.04,5.15)
Net-(D38-DOUT): length 18.2
  Top w0.25: v1(136.3,3.68) 133.64,6.35 v1(122.24,6.35)
  Bottom w0.25: D38.2 122.44,6.56 v1(122.24,6.35) ; v1(136.3,3.68) 136.31,3.67 D49.3
Net-(D39-DIN): length 33.2
  Top w0.25: v1(58.95,5.11) 87.2,5.11 v1(88.66,3.66)
  Bottom w0.25: v1(58.95,5.11) 58.94,5.13 57.49,5.13 ; 90.12,3.66 v1(88.66,3.66)
